# Altium PCB Copy of Hrafn425.PcbDoc (part 2 of 3)
Units mm, origin at the board's own origin, x right, y up, seen from the top; angles counter-clockwise.
Board outline 85 x 94.73 mm, 6 copper layers (Top Layer, Layer 1, Layer 3, Layer 4, Layer 2, Bottom Layer), stack 1.227 mm thick; 383 components, 228 nets, 1233 pads, 98 vias.
Unrouted connection lines stored in the file: 808.
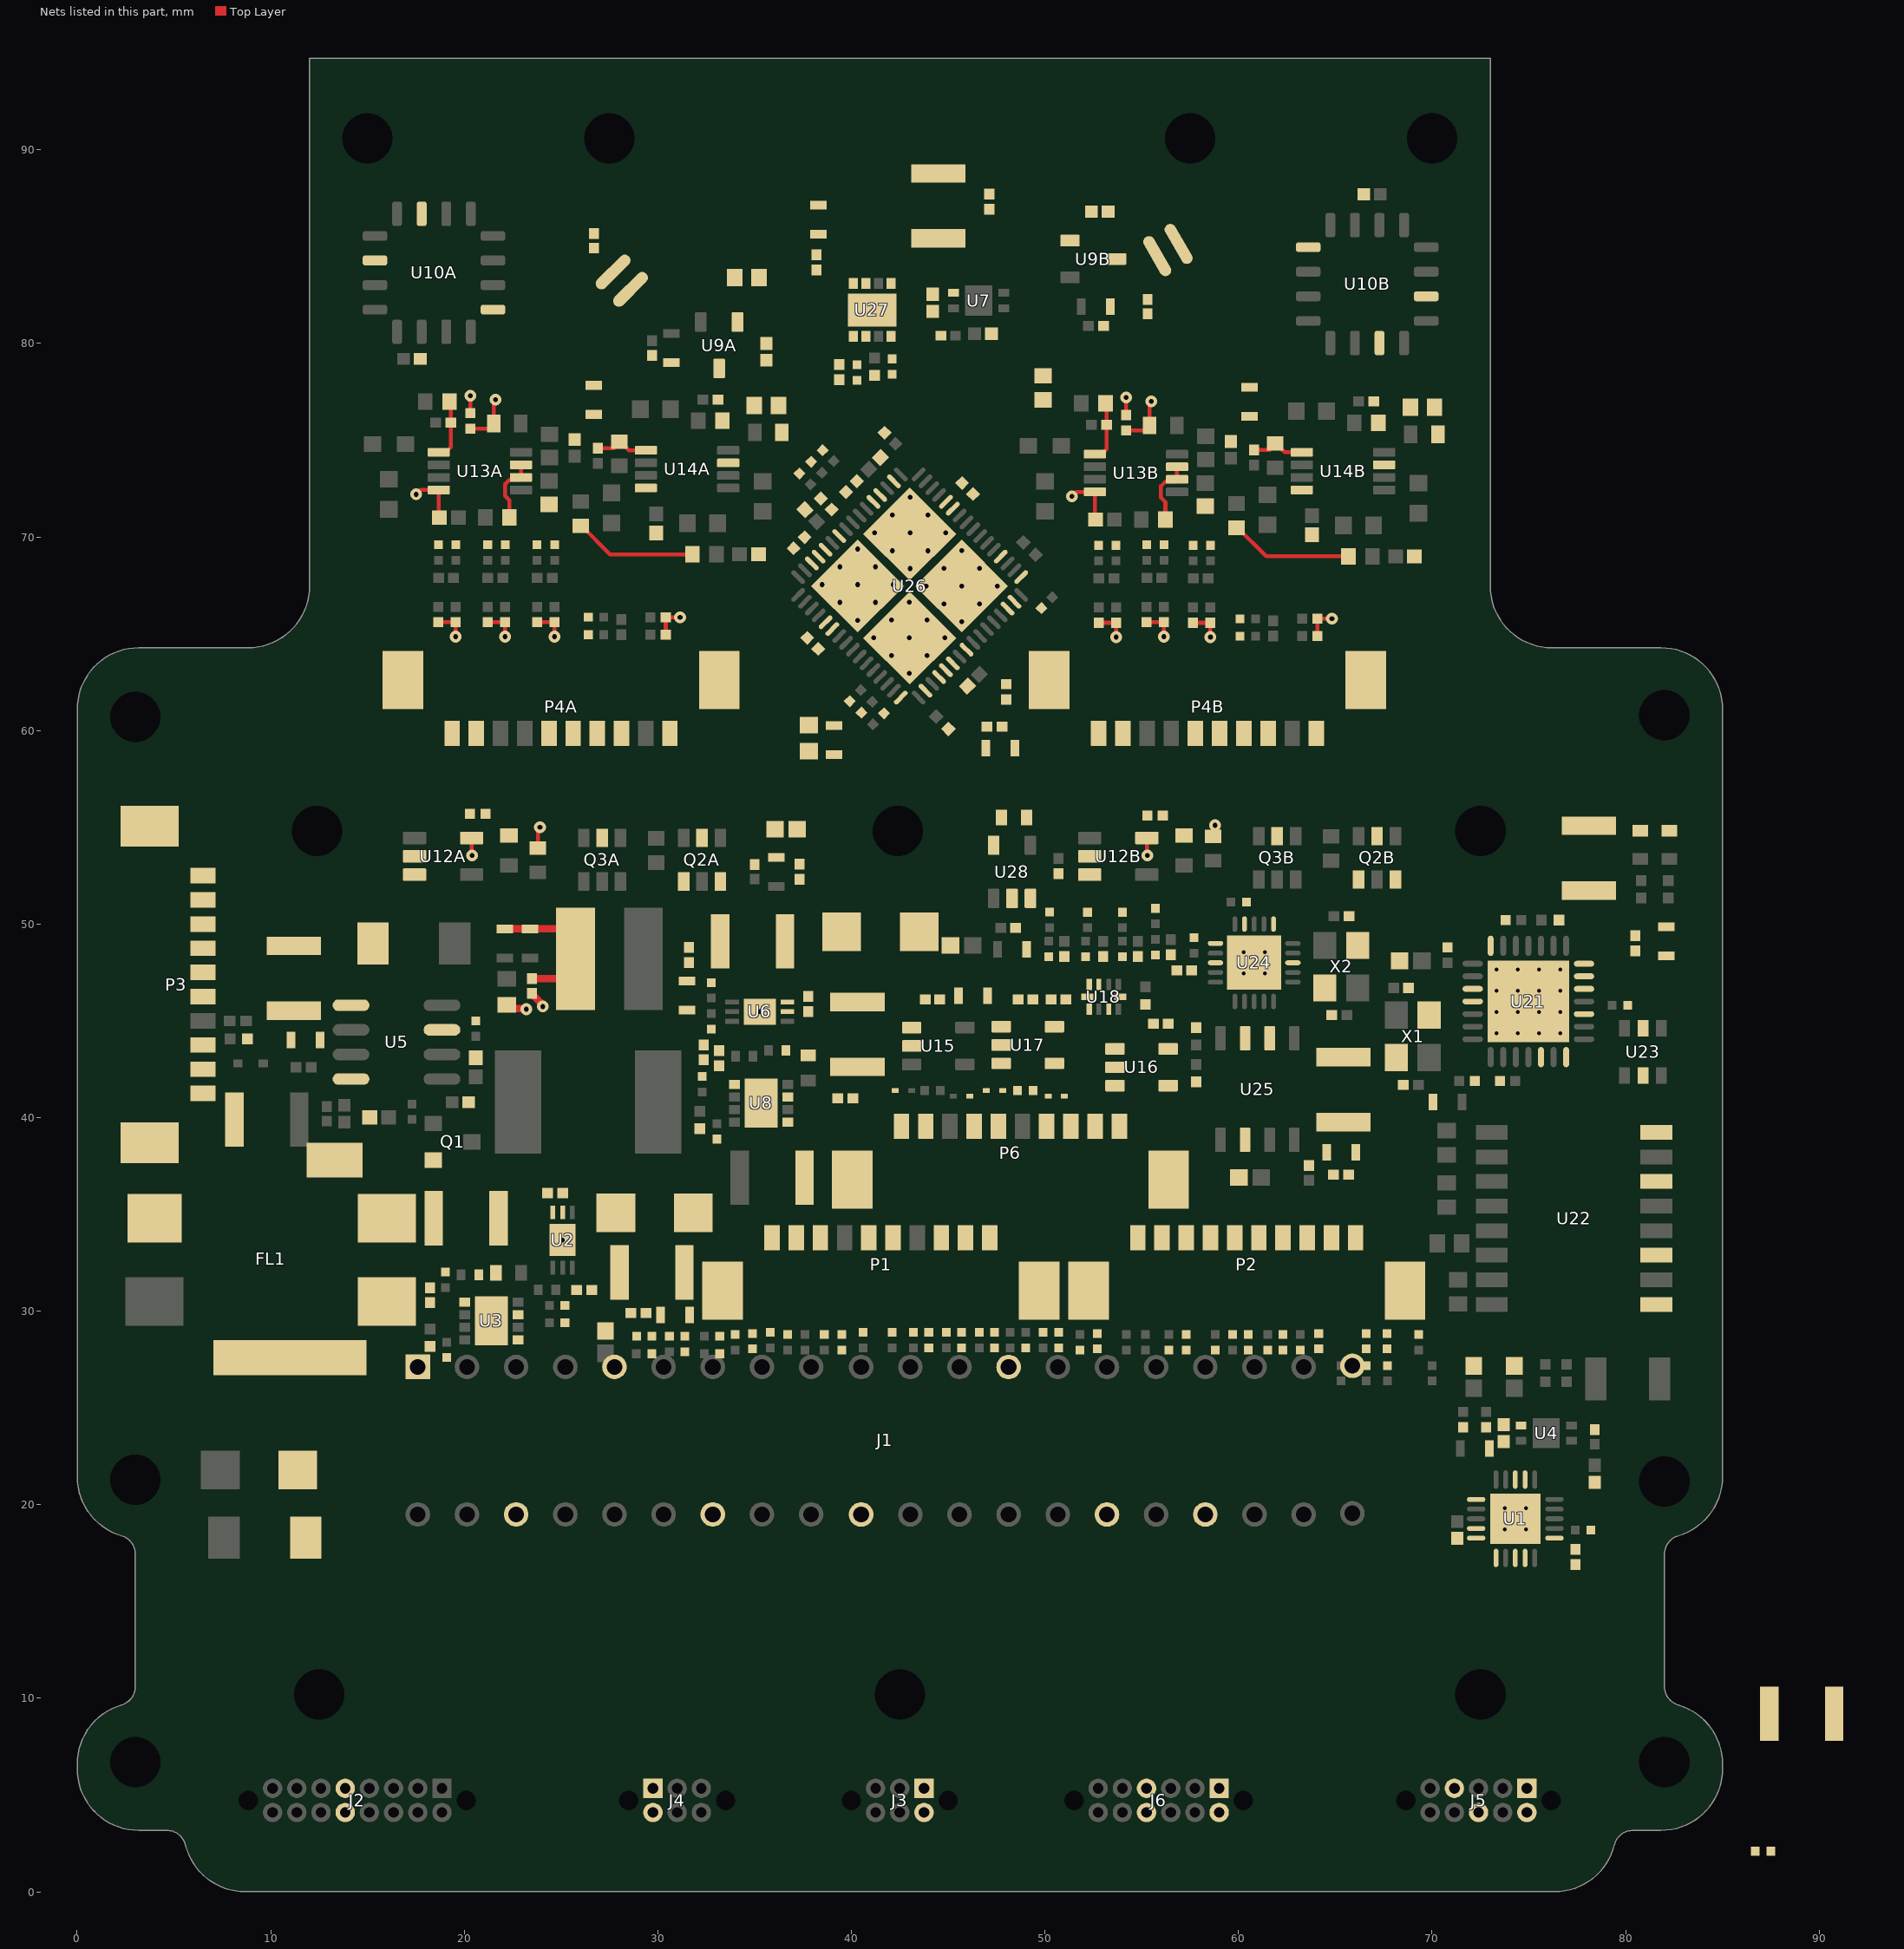
[diagram p4: the nets of this part, all layers, seen from the top]

## Footprints (in the part's own frame and the unit in brackets; to place one, negate y for a bottom-side part, rotate by r counter-clockwise, add the part's x,y. Pads: shape width x height; smd on the part's side, far side on the other; paste and mask are expansions set on the pad) (continued)
FP-RSE0010A-MFG [mm]
  rect 0.575x0.3 smd paste-1000 mask+0: 1(-0.637,0.75) 4(-0.637,-0.75) 6(0.637,-0.75) 9(0.637,0.75)
  rect 0.575x0.25 smd paste-1000 mask+0: 2(-0.637,0.25) 3(-0.637,-0.25) 7(0.637,-0.25) 8(0.637,0.25)
  rect 0.35x0.63 smd paste-1000 mask+0: 5(0,-0.86) 10(0,0.86)
  silkscreen extent -1.65,-1.5 0.77,1.5, body extent -1.02,-1.28 1.02,1.28, height 0.25
FP-RT0603-IPC_B [mm]
  rect 0.859x0.912 smd paste+0 mask+0: 1(-0.777,0) 2(0.777,0)
  silkscreen extent -1.21,-0.86 1.21,0.86, body extent -1.46,-0.71 1.46,0.71, height 0.25
FP-RT0603-MFG [mm]
  rect 0.9x0.8 smd paste+0 mask+0: 1(-0.85,0) 2(0.85,0)
  silkscreen extent -0.85,-0.81 0.86,0.8, body extent -1.4,-0.55 1.4,0.55, height 0.25
FP-SMB-MFG [mm]
  rect 1.62x2.18 smd paste+0 mask+0: 1(-2.11,0) 2(2.11,0)
  silkscreen extent -3.65,-1.97 2.3,1.97, body extent -3.02,-2.07 3.02,2.07, height 0.25
GECK6_F [mm]
  round 0 hole 1 slot 1.9 at 0 deg unplated: 0(0.625,1.25) 0(0.625,-3.75)
  rect 1x1 hole 0.55: 1(1.25,0)
  round 1 hole 0.55: 2(0,0) 3(1.25,-1.25) 4(0,-1.25) 5(1.25,-2.5) 6(0,-2.5)
  body extent -1.85,-4.4 3.05,1.9, height 4.8
GECK6_M [mm]
  round 0 hole 1 slot 1.9 at 0 deg unplated: 0(0.625,1.25) 0(0.625,-3.75)
  rect 1x1 hole 0.55: 1(0,0)
  round 1 hole 0.55: 2(1.25,0) 3(0,-1.25) 4(1.25,-1.25) 5(0,-2.5) 6(1.25,-2.5)
  body extent -1.84,-5.22 3.06,2.66, height 6.8
GECK10-dup [mm]
  round 0 hole 1 slot 1.9 at 0 deg unplated: 0(0.625,1.25) 0(0.625,-6.25)
  rect 1x1 hole 0.55: 1(0,0)
  round 1 hole 0.55: 2(1.25,0) 3(0,-1.25) 4(1.25,-1.25) 5(0,-2.5) 6(1.25,-2.5) 7(0,-3.75) 8(1.25,-3.75) 9(0,-5) 10(1.25,-5)
  body extent -1.84,-7.67 3.06,2.71, height 6.8
GECK12 [mm]
  round 0 hole 1 slot 1.9 at 0 deg unplated: 0(0.625,1.25) 0(0.625,-7.5)
  rect 1x1 hole 0.55: 1(0,0)
  round 1 hole 0.55: 2(1.25,0) 3(0,-1.25) 4(1.25,-1.25) 5(0,-2.5) 6(1.25,-2.5) 7(0,-3.75) 8(1.25,-3.75) 9(0,-5) 10(1.25,-5) 11(0,-6.25) 12(1.25,-6.25)
  body extent -1.85,-8.94 3.05,2.69, height 6.8
GECK16 [mm]
  round 0 hole 1 slot 1.9 at 0 deg unplated: 0(0.625,1.25) 0(0.625,-10)
  rect 1x1 hole 0.55: 1(0,0)
  round 1 hole 0.55: 2(1.25,0) 3(0,-1.25) 4(1.25,-1.25) 5(0,-2.5) 6(1.25,-2.5) 7(0,-3.75) 8(1.25,-3.75) 9(0,-5) 10(1.25,-5) 11(0,-6.25) 12(1.25,-6.25) 13(0,-7.5) 14(1.25,-7.5) 15(0,-8.75) 16(1.25,-8.75)
  body extent -1.82,-11.42 3.08,2.71, height 6.8
LCC16 [mil]
  rrect50% 50x20 smd: 1(0,0) 2(0,-50) 3(0,-100) 4(0,-150) 9(240,-150) 10(240,-100) 11(240,-50) 12(240,0)
  rrect50% 20x50 smd: 5(45,-195) 6(95,-195) 7(145,-195) 8(195,-195) 13(195,45) 14(145,45) 15(95,45) 16(45,45)
  silkscreen extent -60,-355 260,65, body extent -25,-220 265,70, height 110
LT6105 [mm] "QFN, 6-Leads, Body 3.00x2.00mm, Pitch 0.50mm, Thermal Pad 1.65x1.35mm, IPC Medium Density"
  rect 1.65x1.35 smd: 0(0,0)
  rect 0.7x0.25 smd: 1(-1.43,0.5) 2(-1.43,0) 3(-1.43,-0.5) 4(1.43,-0.5) 5(1.43,0) 6(1.43,0.5)
  silkscreen extent -2.47,-1.2 1.7,1.2, body extent -1.55,-1.05 1.55,1.05, height 0.8
LT-S8-8_L [mm] "SOIC, 8-Leads, Body 5x4mm, Pitch 1.27mm, IPC High Density"
  oval 1.9x0.6 smd: 1(-2.35,1.905) 2(-2.35,0.635) 3(-2.35,-0.635) 4(-2.35,-1.905) 5(2.35,-1.905) 6(2.35,-0.635) 7(2.35,0.635) 8(2.35,1.905)
  silkscreen extent -2.47,-2.5 1,2.88, body extent -2,-2.5 2,2.5, height 1.76
MOLX-53398-1071_V [mm] "SMD, 10-Leads, Body 17.65x3.7mm, Pitch 1.25mm"
  rect 0.8x1.3 smd: 1(5.625,-1.75) 2(4.375,-1.75) 3(3.125,-1.75) 4(1.875,-1.75) 5(0.625,-1.75) 6(-0.625,-1.75) 7(-1.875,-1.75) 8(-3.125,-1.75) 9(-4.375,-1.75) 10(-5.625,-1.75)
  rect 2.1x3 smd: MP1(8.175,1) MP2(-8.175,1)
  silkscreen extent -8.82,-3.07 8.83,2.1, body extent -8.82,-2.1 8.83,2.1, height 4.77
ONSC-SMA-2-403D-02_F_V [mm] "Molded, 2-Leads, Body 4.32x2.6mm"
  rect 2x2 smd: 1(-2,0) 2(2,0)
  silkscreen extent -3.68,-1.3 0.74,1.3, body extent -2.16,-1.3 2.16,1.3, height 2.2
ONSC-SOD-923-2-514AB-01_V [mm] "SOD, 2-Leads, Body 0.8x0.6mm"
  rect 0.36x0.25 smd: 1(-0.42,0) 2(0.42,0)
  silkscreen extent -0.47,0.48 -0.37,0.57, body extent -0.4,-0.3 0.4,0.3, height 0.4
ONSC-SOT23-6-527AJ_V [mm] "SOT23, 6-Leads, Body 3x1.8mm, Pitch 0.95mm"
  rect 0.85x0.56 smd: 1(-1.225,0.95) 2(-1.225,0) 3(-1.225,-0.95) 4(1.225,-0.95) 5(1.225,0) 6(1.225,0.95)
  silkscreen extent -1.35,-1.5 0.4,1.9, body extent -0.9,-1.5 0.9,1.5, height 1.45
ONSC-SOT-23-3-318-08_V [mm] "SOT23, 3-Leads, Body 2.92x1.3mm, Pitch 0.95mm"
  rect 0.9x0.8 smd: 1(-1,0.95) 2(-1,-0.95) 3(1,0)
  silkscreen extent -1.12,-1.46 0.65,2.02, body extent -0.65,-1.46 0.65,1.46, height 1.11
ONSC-TSOP-6-318G-02_V [mm] "SOP, 6-Leads, Body 3x1.5mm, Pitch 0.95mm"
  rect 0.95x0.6 smd: 1(-1.125,0.95) 2(-1.125,0) 3(-1.125,-0.95) 4(1.125,-0.95) 5(1.125,0) 6(1.125,0.95)
  silkscreen extent -1.25,-1.5 0.25,1.92, body extent -0.75,-1.5 0.75,1.5, height 1.1
PULS-HX1188FNL-SMT-16_V [mm] "SMD, 16-Leads, Body 12.7x9.09mm, Pitch 1.27mm"
  rect 0.76x1.65 smd: 1(-4.445,-4.255) 2(-3.175,-4.255) 3(-1.905,-4.255) 4(-0.635,-4.255) 5(0.635,-4.255) 6(1.905,-4.255) 7(3.175,-4.255) 8(4.445,-4.255) 9(4.445,4.255) 10(3.175,4.255) 11(1.905,4.255) 12(0.635,4.255) 13(-0.635,4.255) 14(-1.905,4.255) 15(-3.175,4.255) 16(-4.445,4.255)
  silkscreen extent -6.35,-5.75 6.35,4.55, body extent -6.35,-4.54 6.35,4.54, height 5.99
QFN-ML20_N [mm] "QFN, 20-Leads, Body 4x4mm, Pitch 0.5mm, Thermal Pad 2.8x2.8mm, IPC Medium Density"
  oval 0.8x0.25 smd: 1(-2,1) 2(-2,0.5) 3(-2,0) 4(-2,-0.5) 5(-2,-1) 11(2,-1) 12(2,-0.5) 13(2,0) 14(2,0.5) 15(2,1)
  oval 0.25x0.8 smd: 6(-1,-2) 7(-0.5,-2) 8(0,-2) 9(0.5,-2) 10(1,-2) 16(1,2) 17(0.5,2) 18(0,2) 19(-0.5,2) 20(-1,2)
  rect 2.8x2.8 smd: 21(0,0)
  silkscreen extent -3,-2.22 2.23,2.22, body extent -2.07,-2.07 2.08,2.08, height 1
QFN-ML28_N [mm] "QFN, 28-Leads, Body 6x6mm, Pitch 0.65mm, Thermal Pad 4.2x4.2mm, IPC Medium Density"
  oval 1.05x0.3 smd: 1(-2.875,1.95) 2(-2.875,1.3) 3(-2.875,0.65) 4(-2.875,0) 5(-2.875,-0.65) 6(-2.875,-1.3) 7(-2.875,-1.95) 15(2.875,-1.95) 16(2.875,-1.3) 17(2.875,-0.65) 18(2.875,0) 19(2.875,0.65) 20(2.875,1.3) 21(2.875,1.95)
  oval 0.3x1.05 smd: 8(-1.95,-2.875) 9(-1.3,-2.875) 10(-0.65,-2.875) 11(0,-2.875) 12(0.65,-2.875) 13(1.3,-2.875) 14(1.95,-2.875) 22(1.95,2.875) 23(1.3,2.875) 24(0.65,2.875) 25(0,2.875) 26(-0.65,2.875) 27(-1.3,2.875) 28(-1.95,2.875)
  rect 4.2x4.2 smd: 29(0,0)
  silkscreen extent -3.98,-3.2 3.2,3.2, body extent -3.05,-3.05 3.05,3.05, height 1
RESC0402(1005)_L [mm] "Chip Resistor, Body 1.0x0.5mm, IPC High Density"
  rect 0.45x0.55 smd: 1(-0.45,0) 2(0.45,0)
  body extent -0.52,-0.27 0.53,0.28, height 0.4
RESC1005X40X25LL05T05 [mm] "Chip Resistor, 2-Leads, Body 1.00x0.50mm, IPC High Density"
  rect 0.45x0.45 smd: 1(-0.4,0) 2(0.4,0)
  body extent -0.53,-0.27 0.53,0.28, height 0.4
RESC1005X40X25LL10T10 [mm] "Chip Resistor, 2-Leads, Body 1.00x0.50mm, IPC High Density"
  rect 0.55x0.5 smd: 1(-0.375,0) 2(0.375,0)
  body extent -0.55,-0.3 0.55,0.3, height 0.4
RESC1005X40X25NL05T05 [mm] "Chip Resistor, 2-Leads, Body 1.00x0.50mm, IPC Medium Density"
  rect 0.55x0.55 smd: 1(-0.45,0) 2(0.45,0)
  body extent -0.53,-0.27 0.53,0.28, height 0.4
RESC1005X40X25NL05T10 [mm] "Chip Resistor, 2-Leads, Body 1.00x0.50mm, IPC Medium Density"
  rect 0.6x0.55 smd: 1(-0.425,0) 2(0.425,0)
  body extent -0.53,-0.27 0.53,0.28, height 0.4
RESC1005X40X25NL10T10 [mm] "Chip Resistor, 2-Leads, Body 1.00x0.50mm, IPC Medium Density"
  rect 0.65x0.6 smd: 1(-0.425,0) 2(0.425,0)
  body extent -0.55,-0.3 0.55,0.3, height 0.4
RESC1608X55X25LL10T15 [mm] "Chip Resistor, 2-Leads, Body 1.60x0.80mm, IPC High Density"
  rect 0.6x0.8 smd: 1(-0.65,0) 2(0.65,0)
  body extent -0.85,-0.45 0.85,0.45, height 0.55
RESC1608X55X25NL10T15 [mm] "Chip Resistor, 2-Leads, Body 1.70x0.90mm, IPC Medium Density"
  rect 0.7x0.9 smd: 1(-0.7,0) 2(0.7,0)
  body extent -0.85,-0.45 0.85,0.45, height 0.55
RESC1608X55X30LL15T15 [mm] "Chip Resistor, 2-Leads, Body 1.60x0.80mm, IPC High Density"
  rect 0.7x0.85 smd: 1(-0.625,0) 2(0.625,0)
  body extent -0.87,-0.48 0.87,0.48, height 0.55
RESC1608X55X30LL20T20 [mm] "Chip Resistor, 2-Leads, Body 1.60x0.80mm, IPC High Density"
  rect 0.8x0.9 smd: 1(-0.6,0) 2(0.6,0)
  body extent -0.9,-0.5 0.9,0.5, height 0.55
RESC1608X55X30NL15T15 [mm] "Chip Resistor, 2-Leads, Body 1.60x0.80mm, IPC Medium Density"
  rect 0.8x0.95 smd: 1(-0.675,0) 2(0.675,0)
  body extent -0.87,-0.48 0.87,0.48, height 0.55
RESC1609X50X30NL10T20 [mm] "Chip Resistor, 2-Leads, Body 1.55x0.85mm, IPC Medium Density"
  rect 0.8x0.95 smd: 1(-0.625,0) 2(0.625,0)
  body extent -0.82,-0.48 0.82,0.48, height 0.5
RESC1609X55X30LL10T20 [mm] "Chip Resistor, 2-Leads, Body 1.60x0.85mm, IPC High Density"
  rect 0.75x0.85 smd: 1(-0.625,0) 2(0.625,0)
  body extent -0.85,-0.48 0.85,0.48, height 0.55
WE-TPC-4828-MH [mm] "SMD Inductor, 2-Leads, Body 4.8 x 4.8 mm"
  rect 2x5.3 smd: 1(-1.75,0) 2(1.75,0)
  silkscreen extent -0.15,-2.5 0.15,2.5, body extent -2.4,-2.4 2.4,2.4, height 2.79

## Part data
C4 C5 C15 C25 C60 C66 C78 C85 C109: library part CMP-08246-001520-1, "AUTOMOTIVE GRADE,1210,X7S,10V,47", Capacitance="47 uF", Voltage="10 V", ComponentLink1Description="New link"
C6 C7 C8 C9 C12 C13 C14 C17 C20 C23 C27 C34 C36 C40 C41A C41B C42 C63 C80 C87 C98 C101 C106 C107 C108 C117: library part CMP-2100-03641-1, "Chip Capacitor, 0.1 uF, +/- 10%, 16 V, -55 to 125 degC, 0402 (1005 Metric), RoHS, Tape and Reel", Capacitance=100nF, Case Code (Imperial)=0402, Case Code (Metric)=1005, Dielectric=X7R, Dielectric Material=Ceramic, Insulation Resistance=10GR, Manufacturer=Murata, Max Operating Temperature=125degC, Min Operating Temperature=-55degC, Package Description="2-Pin Surface Mount Device, Body 1 x 0.5 mm", Package Quantity=1, Tolerance=10%, Voltage=16V, Case/Package=0402, Datasheet URL=http://psearch.en.murata.com/capacitor/product/GRM155R71C104KA88%23.pdf, Datasheet Version=42675.0, Depth=0.5mm, Height=0.5mm, Lead Free=LeadFree, Length=1mm, Manufacturer URL=http://www.murata.com/, Material=Ceramic, Mount=SurfaceMount, Number of Pins=2, Package Reference=0402, Packaging=TapeandReel, Radiation Hardening=No, REACH SVHC=NoSVHC, RoHSCompliant=true, Termination=SMD/SMT, Thickness=0.022inch, Voltage Rating=16V, Voltage Rating (DC)=16V, Width=0.5mm
C10 C16 C19 C32 C33 C37 C61A C61B C62A C62B C64 C65 C67 C71 C79 C86 C97 C100 C116: library part CMP-2000-04979-1, "Chip Capacitor, 10 uF, +/- 10%, 10 V, -55 to 85 degC, 0603 (1608 Metric), RoHS, Tape and Reel", Capacitance=10µF, Manufacturer=TDK, Operating Temperature=-55degC~85degC, Package / Case=0603(1608Metric), Package Description="2-Pin Surface Mount Device, Body 1.6 x 0.8 mm", Package Reference=603, PCN Part Number=MLCCPartNumberChange30/Nov/2012, Ratings=-, Standard Package=1, Temperature Coefficient=X5R, Tolerance=±10%, Voltage - Rated=10V, Applications=GeneralPurpose, Category=Capacitors, Datasheet URL=http://download.siliconexpert.com/pdfs/2015/4/21/15/54/45/779/tdk_/manual/37024850441143360mlcc_commercial_general_en.pdf, Datasheet Version=Mar-15, Design Resources=20WNon-IsolatedBuckLEDDriverUsingPLLNK460KG, Family=CeramicCapacitors, Features=-, Height - Seated (Max)=-, Kits=445-9003-KIT-ND-KITCAPCERHICAPMLCCSMD, Lead Spacing=-, Lead Style=-, Manufacturer URL=http://www.tdk.com/, Mounting Type=SurfaceMount,MLCC, Online Catalog=CSeries,GeneralPurpose, Other Names=445-7486-1, Packaging=CutTape(CT), Product Training Modules=CSeriesGeneralApplicationsSEAT,CCV,andTVCLDesignToolsGuidetoReplacinganElectrolyticCapacitorwithanMLCC, RoHS Information=RoHSCertificate-MLCC, Series=C, Size / Dimension="0.063\"Lx0.031\"W(1.60mmx0.80mm)", Thickness (Max)="0.035\"(0.90mm)"
C11 C43A C43B C45A C45B C52A C52B C102 C103 C104: library part CMP-2008-02056-1, Manufacturer=Kemet, Part Number=C0402C105M8PACTU, Capacitance="1 uF"
C21 C22 C26 C28: library part CMP-2008-02912-1, Manufacturer="AVX Interconnect / Elco", Part Number=0402ZC103KAT2A, Capacitance="10 nF"
C24: library part CMP-2008-03996-1, Manufacturer=Murata, Part Number=GRM155R61A274KE15D, Capacitance="0.27 uF"
C29: library part CMP-2008-03915-1, Manufacturer=Murata, Part Number=GRM1555C1H101JA01D, Capacitance=100pF
C30: library part CMP-2008-02911-1, Manufacturer="AVX Interconnect / Elco", Part Number=04025C332JAT2A, Capacitance="3.3 nF"
C31: library part CMP-2008-04644-1, Manufacturer=Murata, Part Number=GRM155R71H153KA12J, Capacitance="15 nF"
C38A C38B C51A C51B: library part CMP-2006-03300-1, Manufacturer=Kemet, Part Number=C0603X104K5RACTU
C39A C39B: library part CMP-06035-000033-1, "CAP CER 22UF 10V X5R 0603", Manufacturer=Murata, Manufacturer Part Number=GRM188R61A226ME15D, Package=GRM18-0.2, Temperature="-55°C to +85°C", Temperature Characteristic=X5R, Temperature Coefficient=15%, Temperature Range High=+85°C, Temperature Range Low=-55°C, Tolerance=20%, Voltage Rating=10V, Automotive=No, Capacitance=22uF, Category=Cap, ComponentLink2Description=Datasheet, ComponentLink2URL=https://search.murata.co.jp/Ceramy/image/img/A01X/G101/ENG/GRM188R61A226ME15-02A.pdf, Device Class L1="Passive Components", Device Class L2=Capacitors, Device Class L3="Ceramic Capacitors", Digikey Description="CAP CER 22UF 10V X5R 0603", Height=1mm, Lead Free=Yes, Material=Ceramic, Mouser Description="Multilayer Ceramic Capacitors MLCC - SMD/SMT 0603 22uF 10volts *Derate Voltage/Temp", Octopart=https://octopart.com/grm188r61a226me15d-murata-39203794, RoHS=TRUE
C44A C44B: library part CMP-2006-02545-1, Manufacturer=Murata, Part Number=GRM188R6YA475KE15D, Capacitance=4.7uF
C46A C46B C50A C50B C70 C72 C73 C75 C76 C77 C89 C90 C91 C92 C94 C95 C105 C111A C111B C111C C111D C111E C111F C111G C111H C112A C112B C112C C112D C112E C112F C112G C112H: library part CMP-1034-02068-1, "CAP 100nF 16V ±5% 0402 (1005 Metric) Thickness 0.6mm SMD", Case-EIA=0402, Case-Metric=1005, Rated Voltage="16 V", Tolerance=Â±5%, Max Thickness="0.6 mm", Technology=SMT
C47A C47B C48A C48B C49A C49B: library part CMP-2008-03914-1, Manufacturer=Murata, Part Number=GRM155R71H471KA01D, Capacitance="470 pF"
C53A C53B C54A C54B C55A C55B: library part CMP-2008-04622-4, "Chip Capacitor, 22 nF, +/- 10%, 25 V, -55 to 125 degC, 0402 (1005 Metric), RoHS, Tape and Reel", Case Code (Imperial)=0402, Case Code (Metric)=1005, Manufacturer="Basic Passives", Max Operating Temperature="125 degC", Min Operating Temperature="-55 degC", Package Quantity=10000, PartNumber=GRM155R71E223KA61D, Tolerance=10%, Type (Capacitors)=X7R, Voltage Rating="25 V", Capacitance="22 nF", Case\/Package=0402, ComponentLink1Description="Manufacturer URL", ComponentLink1URL=http://www.murata.com/, ComponentLink2Description=Datasheet, ComponentLink2URL=http://search.murata.co.jp/Ceramy/image/img/A01X/G101/ENG/GRM155R71E223KA61-01.pdf, DatasheetVersion=02/2016, Height="0.5 mm", Lead Pitch="2 mm", Length="1 mm", Mount="Surface Mount", Mounting Technology="Surface Mount", PackageDescription="2-Pin Surface Mount Device, Body 1 x 0.5 mm", PackageReference=0402, Packaging="Tape and Reel", Pins=2, Radiation Hardening=No, RoHSCompliant=true, Voltage Rating (DC)="25 V", Width="0.5 mm"
C56 C57 C58 C59 C82 C84: library part CMP-2008-03080-1, Manufacturer=Kemet, Part Number=C0402C104J4RACTU, Capacitance="0.1 uF"
C68 C69 C83 C88: library part CMP-2008-03807-1, Manufacturer=Murata, Part Number=GJM1555C1H180JB01D, Capacitance="18 pF"
C81: library part CMP-08246-001831-1, "Cap Ceramic 2.2nF 2000V X7S 20% Pad SMD 1210 +125°C Automotive T/R", Case Code (Imperial)=1210, Case Code (Metric)=3225, Dielectric=X7S, Max Operating Temperature=125°C, Min Operating Temperature=-55°C, Package Quantity=1000, Ratings=AEC-Q200, Tolerance=20%, Voltage Rating=2kV, Capacitance=2.2nF, Case/Package=1210, Height=2.5mm, Length=0.126inch, Mount="Surface Mount", Packaging="Tape and Reel", Thickness=0.11inch, Voltage Rating (DC)=2kV, Weight=0.000564oz, Width=0.098inch
C93: library part CMP-2006-02792-1, Manufacturer=Murata, Part Number=GRM188R60J106ME47D, Capacitance="10 uF"
C96 C99: library part CMP-08246-001520-1, "AUTOMOTIVE GRADE,1210,X7S,10V,47", Capacitance="10 uF", Voltage="10 V", ComponentLink1Description="New link"
C110A C110B C110C C110D C110E C110F C110G C110H: library part CMP-2008-04556-1, Manufacturer=Murata, Part Number=GRM155R61A105KE15D, Capacitance="1 uF"
D1 D3: library part CMP-1060-00073-1, "1.5 W Zener Voltage Regulator, 2-Pin SMA, Pb-Free, Tape and Reel", Manufacturer="On Semiconductor", PartNumber=SZ1SMA5919BT3G, ComponentLink1Description="Manufacturer URL", ComponentLink1URL=http://www.onsemi.com/, ComponentLink2Description=Datasheet, ComponentLink2URL=http://www.onsemi.com/pub_link/Collateral/1SMA5913BT3-D.PDF, ComponentLink3Description="Package Specification", ComponentLink3URL=http://www.onsemi.com/pub_link/Collateral/1SMA5913BT3-D.PDF, DatasheetVersion="Rev. 8", Mounting Technology="Surface Mount", PackageDescription="2-Pin Small Molded Package, J-Bend Lead, Body 2.605 x 4.315 mm", PackageReference=SMA-2-403D-02_F, PackageVersion="Rev. F, 11/2008", Packing="Tape and Reel", RoHS=Pb-Free, VZ Typ (V)=5.6
D2 D5: library part CMP-12187-000023-1, "DIODE SCHOTTKY 60V 3A SMB", Forward Current=3A, Manufacturer=STMicroelectronics, Max Junction Temp=+150°C, Max Repetitive Reverse Voltage=60V, Max Surge Forward Current=100A, Package=SMB, Peak Reverse Current=150uA, Temperature="to +150°C", Automotive=No, Category=Diode, ComponentLink2Description=Datasheet, ComponentLink2URL=https://www.st.com/resource/en/datasheet/stps3l60.pdf, Device Class L1="Discrete Semiconductors", Device Class L2=Diodes, Device Class L3="Schottky Diodes", Digikey Description="DIODE SCHOTTKY 60V 3A SMB", Height=2.65mm, Lead Free=Yes, Manufacturer Part Number=STPS3L60U, Mouser Description="Schottky diode Configuration: Single Housing type: DO-214AA=SMB Peak conducting-state current: 100 A", Octopart=https://octopart.com/stps3l60u-stmicroelectronics-334329, RoHS=TRUE, Standoff Height=0.05mm, Temperature Range High=+150°C
D4: library part CMP-07163-000008-1, "DIODE GEN PURP 75V 200MA SOD523F", Capacitance=4pF, Forward Current=300mA, Manufacturer="ON Semiconductor", Max Junction Temp=+150°C, Max Repetitive Reverse Voltage=75V, Package=502-01, Peak Reverse Current=5uA, Reverse Voltage=100V, Temperature="-55°C to +150°C", Temperature Range Low=-55°C, Automotive=No, Category=Diode, ComponentLink2Description=Datasheet, ComponentLink2URL=https://www.onsemi.com/pub/Collateral/1N914BWT-D.pdf, Device Class L1="Discrete Semiconductors", Device Class L2=Diodes, Device Class L3="Rectifier Diodes", Digikey Description="DIODE GEN PURP 75V 200MA SOD523F", Footprint Url=https://www.onsemi.com/pub/Collateral/502-01.PDF, Height=0.7mm, Ipc Land Pattern Name=SODFL16080X60, Lead Free=Yes, Manufacturer Part Number=1N914BWT, Mouser Description="Diodes - General Purpose, Power, Switching SINGLE JUNC. 100V 4.0NS COMP", Octopart=https://octopart.com/1n914bwt-on+semiconductor-84323166, RoHS=TRUE, Temperature Range High=+150°C
D6: library part CMP-1060-00126-1, "1.5 W Zener Voltage Regulator, 2-Pin SMA, Pb-Free, Tape and Reel", Manufacturer="On Semiconductor", PartNumber=1SMA5915BT3G, ComponentLink1Description="Manufacturer URL", ComponentLink1URL=http://www.onsemi.com/, ComponentLink2Description=Datasheet, ComponentLink2URL=http://www.onsemi.com/pub_link/Collateral/1SMA5913BT3-D.PDF, ComponentLink3Description="Package Specification", ComponentLink3URL=http://www.onsemi.com/pub_link/Collateral/1SMA5913BT3-D.PDF, DatasheetVersion="Rev. 8", Mounting Technology="Surface Mount", PackageDescription="2-Pin Small Molded Package, J-Bend Lead, Body 2.605 x 4.315 mm", PackageReference=SMA-2-403D-02_F, PackageVersion="Rev. F, 11/2008", Packing="Tape and Reel", RoHS=Pb-Free, VZ Typ (V)=3.9
D7 D8 D9 D10: library part CMP-1063-00117-1, "Transient Voltage Suppressor, ESD Protection Diode with Ultra-Low Leakage, 2-Pin SOD-923, Pb-Free, Tape and Reel", Manufacturer="On Semiconductor", C Max (pF)=0.9, ComponentLink1Description="Manufacturer URL", ComponentLink1URL=http://www.onsemi.com/, ComponentLink2Description=Datasheet, ComponentLink2URL=http://www.onsemi.com/pub_link/Collateral/ESD9R3.3S-D.PDF, ComponentLink3Description="Package Specification", ComponentLink3URL=http://www.onsemi.com/pub_link/Collateral/514AB.PDF, DatasheetVersion="Rev. 1", Direction=Unidirectional, IR Max (uA)=0.001, Mounting Technology="Surface Mount", Number of Lines=1, PackageDescription="2-Pin SOD, Body 0.8 x 0.6 mm", PackageReference=SOD-923-2-514AB-01, PackageVersion="Rev. C, 03/2011", Packing="Tape and Reel", PartNumber=ESD9R3.3ST5G, RoHS=Pb-Free, V(BR) Min (V)=4.8, VRWM Max (V)=3.3
D15 D16: library part CMP-02520-000009-1, "LED GREEN 0603 SMD", Ambient Temperature Range High=+100°C, Ambient Temperature Range Low=-40°C, Colour="Pure green", Forward Current=20mA, Forward Voltage=2.1V, Manufacturer=Vishay, Max Junction Temp=+120°C, Package=6.541-5056.01-4, Power Dissipation=90mW, Reverse Voltage=6V, Temperature="to +120°C", Automotive=Yes, Automotive Grade="Grade 3", Category=Diode, ComponentLink2Description=Datasheet, ComponentLink2URL=http://www.vishay.com/docs/83173/tlmb1100.pdf, Device Class L1=Optoelectronics, Device Class L2=LEDs, Device Class L3=unset, Digikey Description="LED GREEN 0603 SMD", Height=0.65mm, Lead Free=Yes, Led Orientation="Top View", Luminous Intensity=15mcd, Manufacturer Part Number=TLMP1100-GS08, Mouser Description="Standard LEDs - SMD Pure Green", Octopart=https://octopart.com/tlmp1100-gs08-vishay-55433993, Peak Emmision Wavelength=562nm, RoHS=TRUE, Temperature Range High=+120°C, Viewing Angle=160°, Wavelength=561nm
FB2 FB3 FB4 FB5 FB6 FB7 FB8: library part CMP-06046-000335-1, "Chip Ferrite Bead, 0603, 120Ω @ 100MHz, 0.05Ω, 25%, 2A", Case Code (Imperial)=0603, Case Code (Metric)=1608, Current Rating=2A, DC Resistance (DCR)=50mR, Max Operating Temperature=125°C, Min Operating Temperature=-55°C, Package Quantity=4000, Ratings=AEC-Q200, Test Frequency=100MHz, Tolerance=25%, Case/Package=0603, Contact Plating=Tin, Depth=0.8mm, Height=0.8mm, Impedance=120R, Lead Free="Lead Free", Length=1.6mm, Material=Ferrite, Max Current Rating=2A, Max DC Current=2A, Mount="Surface Mount", Number of Circuits=1, Number of Lines=1, Packaging="Tape and Reel", Shielding=Unshielded, Termination=SMD/SMT, Weight=7.1E-05oz, Width=0.031inch
FL1: "FILTER LC 47UF SMD", Attenuation Value=35dB, Capacitance=47uF, Case/Package=SMD/SMT, Current=15A, Frequency=1GHz, Manufacturer=Murata, Max Operating Temperature=105°C, Min Operating Temperature=-40°C, Package="SMD-4 Murata", Package Quantity=400, Supplier Part Number 1=490-12524-1-ND, Voltage Rating=16V, Category="EMI / RFI Components", Circuit Type=Filter, ComponentLink1Description=http://www.mouser.com/ds/2/281/ENFH0008-558688.pdf?src-supplier=Mouser, ComponentLink1URL=http://www.mouser.com/ds/2/281/ENFH0008-558688.pdf?src-supplier=Mouser, ComponentLink2Description=http://www.farnell.com/datasheets/1902097.pdf?src-supplier=Farnell, ComponentLink2URL=http://www.farnell.com/datasheets/1902097.pdf?src-supplier=Farnell, ComponentLink3Description=http://www.farnell.com/datasheets/1902097.pdf?src-supplier=Element14, ComponentLink3URL=http://www.farnell.com/datasheets/1902097.pdf?src-supplier=Element14, ComponentLink4Description=http://www.murata.com/en-us/products/productdata/8796777775134/ENFH0008.pdf?src-supplier=Digi-Key, ComponentLink4URL=http://www.murata.com/en-us/products/productdata/8796777775134/ENFH0008.pdf?src-supplier=Digi-Key, ComponentLink5Description=https://www.murata.com/en-us/products/productdata/8796777775134/ENFH0008.pdf?src-supplier=Digi-Key, ComponentLink5URL=https://www.murata.com/en-us/products/productdata/8796777775134/ENFH0008.pdf?src-supplier=Digi-Key, ComponentLink6Description=http://www.farnell.com/datasheets/1902097.pdf?src-supplier=Newark, ComponentLink6URL=http://www.farnell.com/datasheets/1902097.pdf?src-supplier=Newark, Current Rating=15A, Depth=9.1mm, Digi-Key_Part_Number=490-12524-1-ND, DigiKey-Purchase-URL=https://snapeda.com/shop?store=DigiKey&id=4300575, ESD Protection=No, Height=3.5mm, Insertion Loss=35dB, Length=12.1mm, Manufacturer Part Number=BNX028-01L, Max Current Rating=15A, MF=Murata, Mount="Surface Mount", MP=BNX028-01L, Number of Channels=2, Packaging="Tape and Reel", Pricing 1="1=7.19000, 10=6.12300, 25=4.75160, 50=4.52540, 100=4.25920 (USD)", REACH SVHC="No SVHC", RoHS=Yes, SnapEDA_Link=https://www.snapeda.com/parts/BNX028-01L/Murata/view-part/4300575/?ref=snap, Stock 1=641, Supplier 1=Digi-Key, Termination=SMD/SMT, Voltage Rating (DC)=16V, Width=9.1mm
J1: Supplier Part Number 1=S5573-ND, Supplier 1=Digi-Key, Supplier 2=Digi-Key, Supplier Part Number 2=WM23670-ND
J2: "Headers & Wire Housings 1.25MM M VERT 3.0MM 2X8 POS", Color=Green, Current Rating=2A, Insulation Resistance=1GR, Manufacturer 1=Harwin, Manufacturer Part Number 1=G125-MV11605L1P, Max Operating Temperature=150°C, Min Operating Temperature=-65°C, Package Quantity=1, Supplier Part Number 1=952-2453-ND, Voltage Rating=450V, Category="Headers and Wire Housings", ComponentLink1Description=http://www.farnell.com/datasheets/2368209.pdf?src-supplier=Farnell, ComponentLink1URL=http://www.farnell.com/datasheets/2368209.pdf?src-supplier=Farnell, ComponentLink2Description=http://www.mouser.com/ds/2/181/G125-MV-215032.pdf?src-supplier=Mouser, ComponentLink2URL=http://www.mouser.com/ds/2/181/G125-MV-215032.pdf?src-supplier=Mouser, ComponentLink3Description=http://www.farnell.com/datasheets/2047904.pdf?src-supplier=Element14, ComponentLink3URL=http://www.farnell.com/datasheets/2047904.pdf?src-supplier=Element14, ComponentLink4Description=https://cdn.harwin.com/pdfs/Harwin_PC_Gecko.pdf?src-supplier=Digi-Key, ComponentLink4URL=https://cdn.harwin.com/pdfs/Harwin_PC_Gecko.pdf?src-supplier=Digi-Key, Connector Type="Male Pin", Contact Gender=Male, Contact Material=Bronze, Contact Plating=Gold, Fastening Type=Latch, Gender=Male, Housing Material=Thermoplastic, Insulation=Insulated, Length=8.75mm, Mount="Through Hole", Number of Contacts=16, Number of Positions=16, Number of Rows=2, Packaging="Cut Strip", Pitch=0.049inch, Pricing 1="1=5.45000, 10=5.23000, 100=4.35800, 500=3.70430, 1000=3.15955, 5000=2.83270 (USD)", REACH SVHC="No SVHC", RoHS=Yes, Row Spacing=0.049inch, Stock 1=282, Supplier 1=Digi-Key, Termination="Through Hole"
J3: "CONN HEADER VERT 6POS 1.25MM", Color=Green, Current Rating=2A, Flammability Rating="UL94 V-0", Insulation Resistance=10GR, Manufacturer 1=Harwin, Manufacturer Part Number 1=G125-MV10605L1P, Max Operating Temperature=150°C, Min Operating Temperature=-65°C, Package Quantity=1, Supplier Part Number 1=952-2807-ND, Voltage Rating=450V, Category="Headers and Wire Housings", ComponentLink1Description=http://www.mouser.com/ds/2/181/C125XX_G125_Gecko_Connectors-1131202.pdf?src-supplier=Mouser, ComponentLink1URL=http://www.mouser.com/ds/2/181/C125XX_G125_Gecko_Connectors-1131202.pdf?src-supplier=Mouser, ComponentLink2Description=https://cdn.harwin.com/pdfs/G125-MVXXX05LXP.pdf?src-supplier=Digi-Key, ComponentLink2URL=https://cdn.harwin.com/pdfs/G125-MVXXX05LXP.pdf?src-supplier=Digi-Key, Connector Type="Male Pin,Pin", Contact Material=Bronze, Contact Plating=Gold, Fastening Type=Latch, Housing Material=Polyamide, Mount="Through Hole", Number of Positions=6, Number of Rows=2, Packaging="Cut Strip", Pitch=0.049inch, Pricing 1="1=4.22000, 10=4.04600, 100=3.37200, 500=2.86620, 1000=2.44470, 5000=2.19180 (USD)", RoHS=Yes, Row Spacing=0.049inch, Stock 1=132, Supplier 1=Digi-Key, Termination=Solder, Weight=0.008184oz
J4: "Gecko DIL Female Vertical 3mm PC Tail Connector, gold, pick & place (cut tape packing), 3+3 contacts", Current Rating=2A, Flammability Rating="UL94 V-0", Insulation Resistance=10GR, Manufacturer 1=Harwin, Manufacturer Part Number 1=G125-FV10605L0P, Max Operating Temperature=150°C, Min Operating Temperature=-65°C, Package Quantity=1, Supplier Part Number 1=952-2541-ND, Voltage Rating=450V, Category="Headers and Wire Housings", ComponentLink1Description=http://www.farnell.com/datasheets/1805453.pdf?src-supplier=Farnell, ComponentLink1URL=http://www.farnell.com/datasheets/1805453.pdf?src-supplier=Farnell, ComponentLink2Description=http://www.mouser.com/ds/2/181/C125XX_G125_Gecko_Connectors-1131202.pdf?src-supplier=Mouser, ComponentLink2URL=http://www.mouser.com/ds/2/181/C125XX_G125_Gecko_Connectors-1131202.pdf?src-supplier=Mouser, ComponentLink3Description=https://cdn.harwin.com/pdfs/G125-FVXXX05L0P.pdf?src-supplier=Digi-Key, ComponentLink3URL=https://cdn.harwin.com/pdfs/G125-FVXXX05L0P.pdf?src-supplier=Digi-Key, Connector Type=Receptacle,Socket, Contact Gender=Female, Contact Material="Copper Alloy", Contact Plating=Gold, Contact Post Length=3mm, Housing Material=Polyamide, Mount="Through Hole", Number of Positions=6, Number of Rows=2, Packaging=Bulk, Pitch=0.049inch, Pricing 1="1=6.94000, 10=6.64700, 100=5.49100, 500=4.62400, 1000=4.04600, 5000=3.75700 (USD)", RoHS=Yes, Row Spacing=0.049inch, Stock 1=4137, Supplier 1=Digi-Key, Termination=Solder, Weight=0.006843oz
J5: "Headers & Wire Housings 1.25MM M VERT 3.0MM 2x5 POS", Color=Green, Current Rating=2A, Flammability Rating="UL94 V-0", Insulation Resistance=10GR, Manufacturer 1=Harwin, Manufacturer Part Number 1=G125-MV11005L1P, Max Operating Temperature=150°C, Min Operating Temperature=-65°C, Package Quantity=1, Supplier Part Number 1=952-2809-ND, Voltage Rating=450V, Category="Headers and Wire Housings", ComponentLink1Description=http://www.mouser.com/ds/2/181/C125XX_G125_Gecko_Connectors-1131202.pdf?src-supplier=Mouser, ComponentLink1URL=http://www.mouser.com/ds/2/181/C125XX_G125_Gecko_Connectors-1131202.pdf?src-supplier=Mouser, ComponentLink2Description=https://cdn.harwin.com/pdfs/G125-MVXXX05LXP.pdf?src-supplier=Digi-Key, ComponentLink2URL=https://cdn.harwin.com/pdfs/G125-MVXXX05LXP.pdf?src-supplier=Digi-Key, Connector Type="Pin,Male Pin", Contact Material=Bronze, Contact Plating=Gold, Fastening Type=Latch, Housing Material=Polyamide, Mount="Through Hole", Number of Positions=10, Number of Rows=2, Packaging="Cut Strip", Pitch=0.049inch, Pricing 1="1=4.73000, 10=4.53800, 100=3.78200, 500=3.21470, 1000=2.74195, 5000=2.45830 (USD)", RoHS=Yes, Row Spacing=0.049inch, Stock 1=486, Supplier 1=Digi-Key, Termination=Solder, Weight=0.010864oz